# Altium PCB vme64x6U_ctrlc.PcbDoc (part 12 of 16)
Units mm, origin at the board's own origin, x right, y up, seen from the top; angles counter-clockwise.
Board outline 440 x 340 mm, 6 copper layers (TopLayer, PlaneGnd, PlanePwr, MidLayer3, MidLayer4, BottomLayer); 407 components, 1301 nets, 2174 pads, 980 vias.
Unrouted connection lines stored in the file: 264.
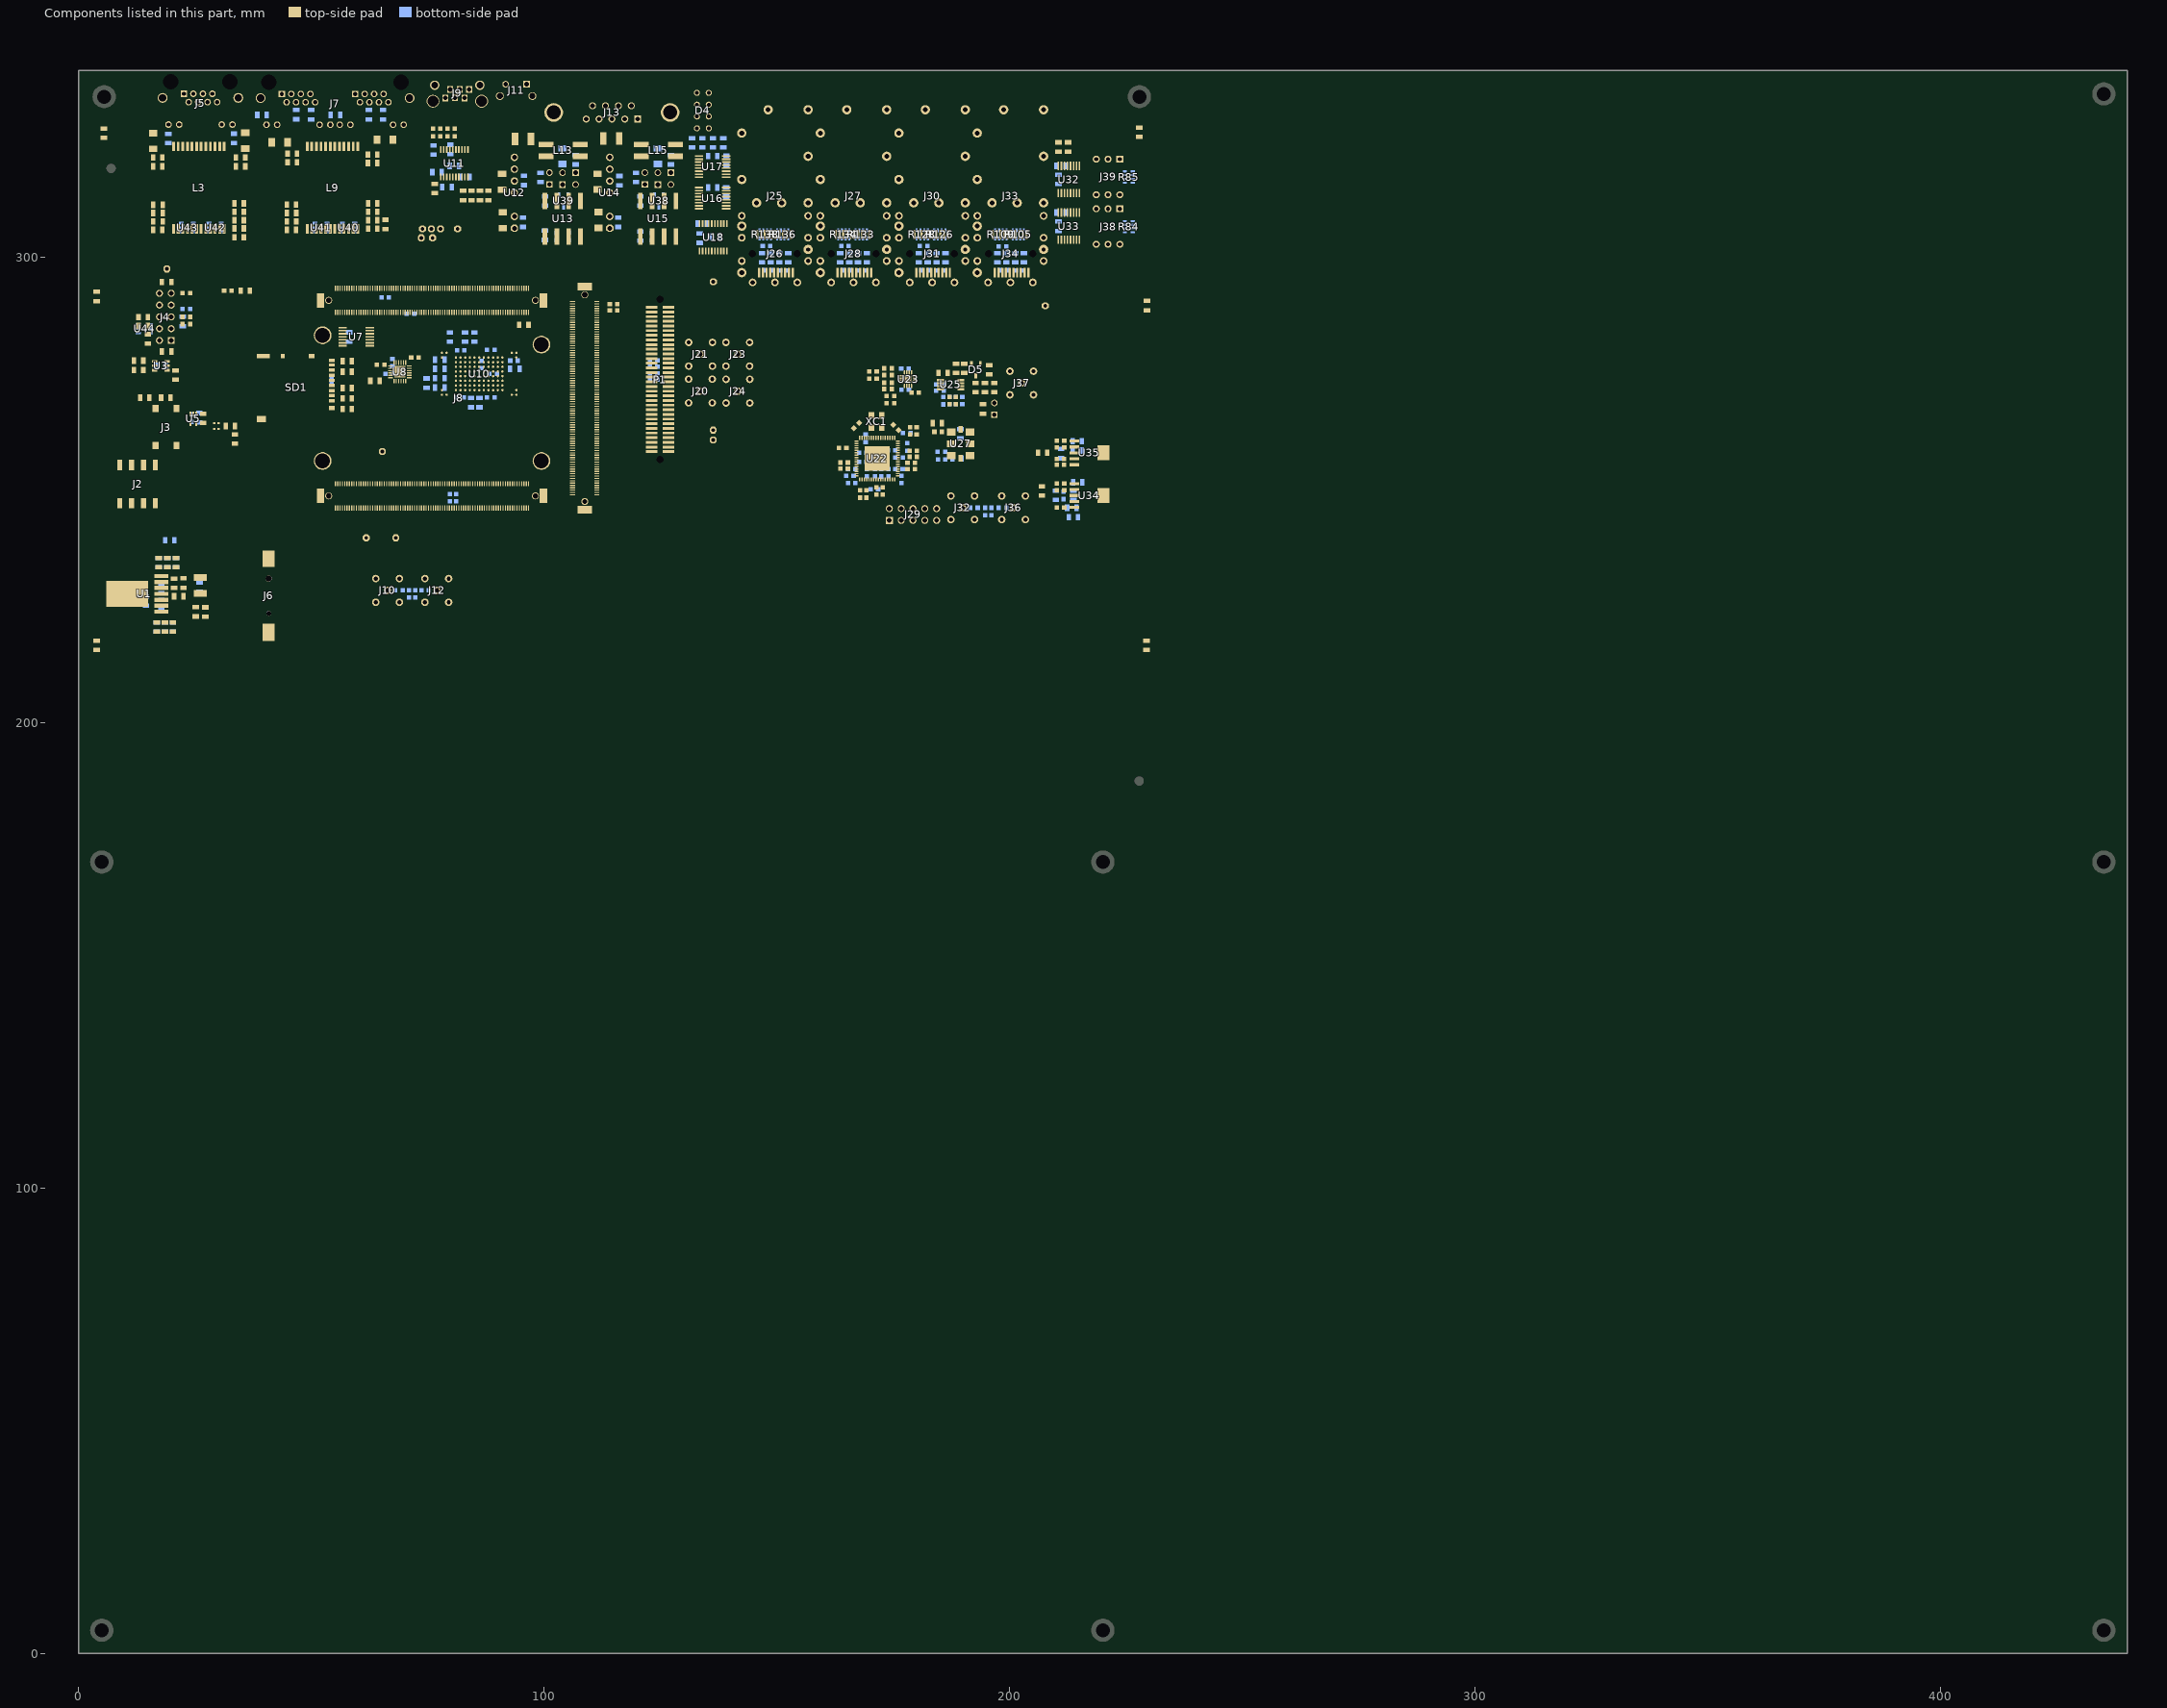
[diagram p16: the components of this part, seen from the top]

## Components (designator, comment, footprint, x,y, rotation, side; value= is the part's Value field where it differs from the comment) (continued)
C185 "100nF" CAPC1608N 81.075,248.275 r90 bottom locked (schematic designator C190)
C186 "0.1uF" CAPC2012N 79.135,315.01 r180 bottom locked (schematic designator C78)
C187 "0.1uF" CAPC2012N 79.86,323.085 r90 bottom locked (schematic designator C80)
C188 "100nF" CAPC1608N 79.775,248.275 r90 bottom locked (schematic designator C159)
C190 "0.1uF" CAPC2012N 76.985,318.185 r180 bottom locked (schematic designator C76)
C197 "100nF" CAPC1608N 66.75,274.875 r0 bottom locked (schematic designator C121)
C198 "100nF" CAPC1608N 67.425,277.275 r270 bottom locked (schematic designator C122)
C199 "0.1uF" CAPC2012N 58.1,282.8 r270 bottom locked (schematic designator C128)
C200 "100nF" CAPC1608N 54.375,273.475 r90 bottom locked (schematic designator C150)
C212 "1uF" CAPC2012N 25.95,265.45 r270 bottom locked (schematic designator C134)
C214 "100nF" CAPC1608N 24.3,265.35 r270 bottom locked (schematic designator C133)
C217 "22uF" CAPC2012N 20.95,234.325 r270 bottom locked (schematic designator C99)
C218 "22uF" CAPC2012N 20.26,220.485 r90 bottom locked (schematic designator C94)
C219 "22uF" CAPC2012N 19.075,234.325 r90 bottom locked (schematic designator C86)
C220 "22uF" CAPC2012N 18.535,220.485 r90 bottom locked (schematic designator C93)
C221 "0.1uF" CAPC2012N 17.75,276.6 r0 bottom locked (schematic designator C112)
C222 "DNP" CAPC2012N 17.785,225.285 r270 bottom locked (schematic designator C101)
C223 "22uF" CAPC2012N 17.2,234.325 r90 bottom locked (schematic designator C85)
C224 "22uF" CAPC2012N 16.81,220.485 r90 bottom locked (schematic designator C95)
C225 "DNP" CAPC2012N 14.5,226.05 r90 bottom locked (schematic designator C84)
D1 "BAS40SL" SOD_923 29.61,263.035 r0 top locked (schematic designator D3)
D2 "BAS40SL" SOD_923 29.61,264.285 r0 top locked (schematic designator D4)
D3 "LB Q39E-N1OO-35-1" LEDC1608N 32.065,292.71 r0 top locked (schematic designator D2)
D4 "H485CGDL" LED_H485C 131.535,340.31 r0 top locked (schematic designator D1)
D5 "MMBD1503" SOT95P280X115-3N 192.75,275.775 r270 top locked
J2 "A6SN-4104" DIPSW4-A6SN8 8.87,247.075 r90 top locked (schematic designator J10)
J3 "PTS645SL43SMTR92" PTS645SL43SMTR92 18.785,263.41 r90 top locked (schematic designator J15)
J4 "IDC-10MC" PLD-10 18.65,287.1 r90 top locked (schematic designator J2)
J5 "RJHSE-5381" AMPH-RJHSE-5381_V 26.19,334.135 r180 top locked (schematic designator J11)
J6 "BC501SM" BAT_CR1220 40.85,226.9 r90 top locked (schematic designator J16)
J7 "RJHSE-5381-2" AMPH-RJHSE-5381-02_V 62.975,334.095 r180 top locked (schematic designator J13)
J8 "3 x FX10A-168P-SV1(71)" Mercury_SA2p 112.925,296.65 r180 top locked (schematic designator J3)
J9 "1734723-1@TYCO" RJ14 83.9,335.928 r180 top locked (schematic designator J1)
J10 "DNP" LEMO_EPA.00.250.NTN 66.375,228.35 r0 top (schematic designator J20)
J11 "PTS645VL582LFS" PTS645VL582LFS 93.985,337.085 r180 top locked (schematic designator J14)
J12 "DNP" LEMO_EPA.00.250.NTN 76.95,228.35 r0 top (schematic designator J23)
J13 "DRB-9MA" DRB-9MA 120.105,329.6 r0 top locked (schematic designator J9)
J14 "PLS-2" PLS-2#1 101.15,316.825 r90 top locked (schematic designator J6)
J15 "PLS-2" PLS-2#1 103.95,316.8 r90 top locked (schematic designator J7)
J16 "PLS-2" PLS-2#1 106.75,316.8 r270 top locked (schematic designator J8)
J17 "PLS-2" PLS-2#1 121.625,316.825 r90 top locked (schematic designator J6)
J18 "PLS-2" PLS-2#1 124.425,316.8 r90 top locked (schematic designator J7)
J19 "PLS-2" PLS-2#1 127.225,316.8 r270 top locked (schematic designator J8)
J20 "DNP" LEMO_EPA.00.250.NTN 133.575,271.175 r180 top locked (schematic designator J27)
J21 "DNP" LEMO_EPA.00.250.NTN 133.6,279.075 r0 top locked (schematic designator J31)
J23 "DNP" LEMO_EPA.00.250.NTN 141.6,279.075 r0 top locked (schematic designator J30)
J24 "DNP" LEMO_EPA.00.250.NTN 141.625,271.15 r180 top locked (schematic designator J28)
J25 "74754-0101" MOLEX_74737-0111 149.58,300.7 r270 top locked (schematic designator J18)
J26 "74441-0001" MOLEX_74441-0001 149.58,300.7 r270 top locked (schematic designator J17)
J27 "74754-0101" MOLEX_74737-0111 166.455,300.7 r270 top locked (schematic designator J18)
J28 "74441-0001" MOLEX_74441-0001 166.455,300.7 r270 top locked (schematic designator J17)
J29 "DNP" PLD-10 179.225,244.65 r0 top locked (schematic designator J26)
J30 "74754-0101" MOLEX_74737-0111 183.33,300.7 r270 top locked (schematic designator J18)
J31 "74441-0001" MOLEX_74441-0001 183.33,300.7 r270 top locked (schematic designator J17)
J32 "DNP" LEMO_EPA.00.250.NTN 189.9,246.1 r0 top locked (schematic designator J24)
J33 "74754-0101" MOLEX_74737-0111 200.155,300.7 r270 top locked (schematic designator J18)
J34 "74441-0001" MOLEX_74441-0001 200.205,300.7 r270 top locked (schematic designator J17)
J35 "PLS-2" PLS-2#2 196.7,266.075 r90 top locked (schematic designator J21)
J36 "DNP" LEMO_EPA.00.250.NTN 200.825,246.1 r0 top locked (schematic designator J25)
J37 "DNP" LEMO_EPA.00.250.NTN 202.575,272.9 r0 top locked (schematic designator J22)
J38 "ERD116XSZ" SW_ECE_ERD116XSZ 223.665,310.32 r270 top locked (schematic designator J12)
J39 "ERD116XSZ" SW_ECE_ERD116XSZ 223.665,320.97 r270 top locked (schematic designator J19)
L2 "DNP" INDC2012N 17.06,309.385 r180 top locked (schematic designator L11)
L3 "H5008NL" SMD_HX508 20.41,306 r90 top locked (schematic designator L13)
L4 "LQH32PN4R7NN0L" IND_3225_MURATA_LQH_N 26.15,229.4 r270 top locked value=4.7uH (schematic designator L1)
L5 "DNP" INDC2012N 34.51,307.885 r0 top locked (schematic designator L9)
L6 "DNP" INDC2012N 34.51,309.685 r0 top locked (schematic designator L10)
L7 "BLM21RK102SN1D" INDC2012N 45.755,307.585 r180 top locked value=BLM21SN102
L7 "DNP" INDC2012N 17.06,307.585 r180 top locked (schematic designator L12)
L8 "BLM21RK102SN1D" INDC2012N 45.755,309.385 r180 top locked value=BLM21SN102 (schematic designator L6)
L9 "H5008NL" SMD_HX508 49.105,306 r90 top locked (schematic designator L8)
L10 "BLM21RK102SN1D" INDC2012N 63.205,307.885 r0 top locked value=BLM21SN102 (schematic designator L4)
L11 "BLM21RK102SN1D" INDC2012N 63.205,309.685 r0 top locked value=BLM21SN102 (schematic designator L5)
L12 "LQH32PN4R7NN0L" IND_3225_MURATA_LQH_N 95.475,325.35 r180 top locked value=4.7uH (schematic designator L15)
L13 "B82790C0513" SMD_B82790 107.725,324.125 r180 top locked (schematic designator L14)
L14 "LQH32PN4R7NN0L" IND_3225_MURATA_LQH_N 114.425,325.4 r180 top locked value=4.7uH (schematic designator L15)
L15 "B82790C0513" SMD_B82790 128.2,324.125 r180 top locked (schematic designator L14)
L16 "BLM21PG221SN1" INDC2012N 201.155,299.825 r270 bottom locked (schematic designator L3)
L17 "BLM21PG221SN1" INDC2012N 199.28,299.825 r270 bottom locked (schematic designator L2)
L18 "BLM21PG221SN1" INDC2012N 184.28,299.825 r270 bottom locked (schematic designator L3)
L19 "BLM21PG221SN1" INDC2012N 182.405,299.825 r270 bottom locked (schematic designator L2)
L20 "BLM21PG221SN1" INDC2012N 167.405,299.825 r270 bottom locked (schematic designator L3)
L21 "BLM21PG221SN1" INDC2012N 165.53,299.825 r270 bottom locked (schematic designator L2)
L22 "BLM21PG221SN1" INDC2012N 150.53,299.825 r270 bottom locked (schematic designator L3)
L23 "BLM21PG221SN1" INDC2012N 148.655,299.825 r270 bottom locked (schematic designator L2)
P1 "TYCO_120521-1" TYCO_120521-1 124.9,256.45 r90 top locked value=DNP
R1 "10MΩ" RESC2012N 3.9,291.5 r270 top locked value=10M? (schematic designator R106)
R2 "10MΩ" RESC2012N 3.925,216.55 r270 top locked value=10M? (schematic designator R105)
R3 "DNP" RESC2012N 5.45,326.55 r270 top locked (schematic designator R104)
R7 "10kΩ" RESC2012N 12.925,275.675 r0 top locked value=10k? (schematic designator R157)
R8 "51kΩ" RESC2012N 12.925,277.675 r0 top locked value=51k? (schematic designator R158)
R9 "10kΩ" RESC2012N 13.875,287.05 r180 top locked value=10k? (schematic designator R174)
R10 "51kΩ" RESC2012N 14.225,269.725 r0 top locked value=51k? (schematic designator R159)
R11 "1kΩ" RESC2012N 14.875,282.375 r90 top locked value=1k? (schematic designator R72)
R12 "75Ω" RESC2012N 17.035,319.435 r0 top locked value=75? (schematic designator R43)
R13 "75Ω" RESC2012N 17.035,321.335 r0 top locked value=75? (schematic designator R42)
R14 "DNP" RESC2012N 18.925,279.675 r180 top locked (schematic designator R171)
R15 "DNP" RESC2012N 18.925,294.575 r180 top locked (schematic designator R173)
R16 "75kΩ" RESC2012N 20.535,229.885 r270 top locked value=75k? (schematic designator R21)
R17 "1kΩ" RESC2012N 22.56,229.935 r270 top locked value=1k? (schematic designator R23)
R18 "22Ω" RESC1608N 23.16,285.56 r180 top locked value=22? (schematic designator R73)
R19 "100Ω" RESC1608N 23.16,287.11 r180 top locked value=100? (schematic designator R75)
R20 "100Ω" RESC1608N 23.16,292.21 r180 top locked value=100? (schematic designator R74)
R21 "51kΩ" RESC2012N 26.775,265.3 r270 top locked value=51k? (schematic designator R101)
R22 "43kΩ" RESC2012N 32.61,263.635 r180 top locked value=43k? (schematic designator R98)
R23 "75Ω" RESC2012N 34.81,319.435 r180 top locked value=75? (schematic designator R55)
R24 "75Ω" RESC2012N 34.81,321.335 r180 top locked value=75? (schematic designator R78)
R25 "1kΩ" RESC2012N 35.815,292.71 r180 top locked value=1k? (schematic designator R97)
R26 "75Ω" RESC2012N 45.91,320.31 r0 top locked value=75? (schematic designator R80)
R27 "75Ω" RESC2012N 45.91,322.16 r0 top locked value=75? (schematic designator R79)
R28 "10kΩ" RESC2012N 57.7,267.325 r180 top locked value=10k? (schematic designator R166)
R29 "10kΩ" RESC2012N 57.7,269.575 r180 top locked value=10k? (schematic designator R167)
R30 "10kΩ" RESC2012N 57.7,271.825 r180 top locked value=10k? (schematic designator R168)
R31 "10kΩ" RESC2012N 57.7,275.325 r180 top locked value=10k? (schematic designator R169)
R32 "10kΩ" RESC2012N 57.7,277.575 r180 top locked value=10k? (schematic designator R170)
R33 "75Ω" RESC2012N 63.16,320.16 r180 top locked value=75? (schematic designator R83)
R34 "75Ω" RESC2012N 63.16,321.985 r180 top locked value=75? (schematic designator R92)
R35 "10kΩ" RESC2012N 63.675,273.375 r180 top locked value=10k? (schematic designator R89)
R36 "22Ω" RESC1608N 64.875,276.8 r180 top locked value=22? (schematic designator R90)
R37 "22Ω" RESC1608N 72.25,278.375 r0 top locked value=22? (schematic designator R91)
R38 "22Ω" RESC1608N 76.11,326.703 r90 top locked value=22? (schematic designator R70)
R39 "51kΩ" RESC2012N 76.485,314.66 r90 top locked value=51k? (schematic designator R61)
R40 "22Ω" RESC1608N 77.685,326.703 r90 top locked value=22? (schematic designator R69)
R41 "22Ω" RESC1608N 79.26,326.703 r90 top locked value=22? (schematic designator R65)
R42 "22Ω" RESC1608N 80.835,326.703 r90 top locked value=22? (schematic designator R63)
R43 "1kΩ" RESC2012N 82.625,313.175 r90 top locked value=1k? (schematic designator R68)
R44 "1kΩ" RESC2012N 84.425,313.175 r90 top locked value=1k? (schematic designator R67)
R45 "1kΩ" RESC2012N 86.225,313.175 r90 top locked value=1k? (schematic designator R64)
R46 "1kΩ" RESC2012N 88.025,313.175 r90 top locked value=1k? (schematic designator R66)
R53 "22Ω" RESC1608N 164.125,258.925 r180 top locked value=22? (schematic designator R147)
R54 "100Ω" RESC1608N 167.075,263.775 r45 top locked value=100? (schematic designator R134)
R55 "91Ω" RESC1608N 173.85,271.6 r180 top locked value=91? (schematic designator R146)
R56 "91Ω" RESC1608N 173.85,272.95 r180 top locked value=91? (schematic designator R145)
R57 "91Ω" RESC1608N 173.85,274.6 r0 top locked value=91? (schematic designator R137)
R58 "91Ω" RESC1608N 173.85,276.05 r0 top locked value=91? (schematic designator R138)
R59 "100Ω" RESC1608N 175.55,263.325 r315 top locked value=100? (schematic designator R133)
R60 "68Ω" RESC1608N 179.7,270.825 r0 top locked value=68? (schematic designator R132)
R61 "820Ω" RESC1608N 180,262.625 r270 top locked value=820? (schematic designator R143)
R62 "51Ω" RESC2012N 184.425,264.25 r180 top locked value=51? (schematic designator R129)
R63 "22Ω" RESC1608N 184.625,262.425 r180 top locked value=22? (schematic designator R130)
R64 "10kΩ" RESC2012N 185.7,275.05 r180 top locked value=10k? (schematic designator R121)
R65 "22Ω" RESC1608N 187.075,269.125 r90 top locked value=22? (schematic designator R123)
R66 "22Ω" RESC1608N 188.45,269.125 r90 top locked value=22? (schematic designator R125)
R68 "150Ω" RESC2012N 190.225,276.05 r270 top locked value=150? (schematic designator R122)
R69 "51kΩ" RESC2012N 194.275,267.325 r90 top locked value=51k? (schematic designator R126)
R70 "150Ω" RESC2012N 194.7,271.9 r90 top locked value=150? (schematic designator R119)
R71 "51kΩ" RESC2012N 195.6,275.725 r90 top locked value=51k? (schematic designator R124)
R72 "51Ω" RESC2012N 196.7,271.9 r90 top locked value=51? (schematic designator R120)
R73 "0Ω" RESC2012N 207.075,257.9 r0 top locked value=0? (schematic designator R181)
R74 "0Ω" RESC2012N 206.925,249.7 r270 top locked value=0? (schematic designator R179)
R75 "5.1kΩ" RESC2012N 210.475,323.6 r90 top locked value=5.1k? (schematic designator R117)
R77 "5.1kΩ" RESC2012N 212.525,323.6 r90 top locked value=5.1k? (schematic designator R116)
R79 "DNP" RESC2012N 227.85,326.775 r270 top locked (schematic designator R111)
R80 "10MΩ" RESC2012N 229.4,216.55 r270 top locked value=10M? (schematic designator R16)
R81 "10MΩ" RESC2012N 229.5,289.525 r90 top locked value=10M? (schematic designator R103)
R84 "CAY16-4702F4LF" CAY16-J4 224.725,305.275 r0 bottom locked value=47k? (schematic designator R110)
R85 "CAY16-4702F4LF" CAY16-J4 224.725,315.95 r0 bottom locked value=47k? (schematic designator R112)
R90 "1kΩ" RESC2012N 213.7,244.075 r0 bottom locked value=1k? (schematic designator R180)
R91 "12kΩ" RESC2012N 213.325,246.1 r180 bottom locked value=12k? (schematic designator R118)
R93 "5.1kΩ" RESC2012N 211.025,309.5 r0 bottom locked value=5.1k? (schematic designator R177)
R94 "5.1kΩ" RESC2012N 211.025,319.55 r0 bottom locked value=5.1k? (schematic designator R178)
R95 "1kΩ" RESC2012N 211.05,257.725 r90 bottom locked value=1k? (schematic designator R182)
R96 "5.1kΩ" RESC2012N 209.923,248.775 r90 bottom locked value=5.1k? (schematic designator R115)
R105 "CAY16-1002F4LF" CAY16-J4 203.055,304 r90 bottom locked value=10k? (schematic designator R107)
R108 "100Ω" RESC1608N 198.45,246.1 r0 bottom locked value=100? (schematic designator R149)
R109 "CAY16-1002F4LF" CAY16-J4 199.305,304 r90 bottom locked value=10k? (schematic designator R108)
R112 "100Ω" RESC1608N 196.1,245.3 r90 bottom locked value=100? (schematic designator R150)
R115 "100Ω" RESC1608N 194.7,245.3 r90 bottom locked value=100? (schematic designator R141)
R116 "100Ω" RESC1608N 192.325,246.1 r180 bottom locked value=100? (schematic designator R148)
R118 "DNP" RESC1608N 189.825,269.125 r270 bottom locked (schematic designator R155)
R119 "5.1kΩ" RESC2012N 188.675,256.675 r0 bottom locked value=5.1k? (schematic designator R127)
R120 "5.1kΩ" RESC2012N 189.425,262.025 r90 bottom locked value=5.1k? (schematic designator R128)
R122 "DNP" RESC1608N 188.45,269.125 r90 bottom locked (schematic designator R156)
R124 "DNP" RESC1608N 187.075,269.125 r90 bottom locked (schematic designator R154)
R126 "CAY16-1002F4LF" CAY16-J4 186.18,304 r90 bottom locked value=10k? (schematic designator R107)
R127 "DNP" RESC1608N 185.7,269.1 r270 bottom locked (schematic designator R153)
R128 "CAY16-1002F4LF" CAY16-J4 182.43,304 r90 bottom locked value=10k? (schematic designator R108)
R130 "100Ω" RESC1608N 178.025,259.175 r270 bottom locked value=100? (schematic designator R131)
R132 "22Ω" RESC1608N 170.95,250.1 r180 bottom locked value=22? (schematic designator R175)
R133 "CAY16-1002F4LF" CAY16-J4 169.305,304 r90 bottom locked value=10k? (schematic designator R107)
R134 "CAY16-1002F4LF" CAY16-J4 165.555,304 r90 bottom locked value=10k? (schematic designator R108)
R136 "CAY16-1002F4LF" CAY16-J4 152.43,304 r90 bottom locked value=10k? (schematic designator R107)
R138 "CAY16-1002F4LF" CAY16-J4 148.68,304 r90 bottom locked value=10k? (schematic designator R108)
R139 "5.1kΩ" RESC2012N 139.15,320.7 r90 bottom locked value=5.1k? (schematic designator R113)
R140 "5.1kΩ" RESC2012N 139.1,313.925 r90 bottom locked value=5.1k? (schematic designator R114)
R141 "1kΩ" RESC2012N 138.5,324.5 r90 bottom locked value=1k? (schematic designator R35)
R142 "5.1kΩ" RESC2012N 136.6,304.375 r180 bottom locked value=5.1k? (schematic designator R109)
R143 "1kΩ" RESC2012N 136.25,324.5 r90 bottom locked value=1k? (schematic designator R34)
R144 "5.1kΩ" RESC2012N 133.95,307.125 r0 bottom locked value=5.1k? (schematic designator R176)
R145 "1kΩ" RESC2012N 134,324.5 r90 bottom locked value=1k? (schematic designator R36)
R146 "1kΩ" RESC2012N 131.75,324.5 r90 bottom locked value=1k? (schematic designator R96)
R147 "62Ω" RESC2012N 127.225,320.85 r90 bottom locked value=62? (schematic designator R32)
R148 "22Ω" RESC1608N 125.775,304.4 r270 bottom locked value=22? (schematic designator R33)
R149 "100Ω" RESC1608N 123.525,273.65 r180 bottom locked value=100? (schematic designator R142)
R150 "100Ω" RESC1608N 123.525,275 r180 bottom locked value=100? (schematic designator R144)
R151 "100Ω" RESC1608N 123.525,276.375 r180 bottom locked value=100?
R152 "100Ω" RESC1608N 123.525,277.75 r180 bottom locked value=100?
R153 "22Ω" RESC1608N 123.175,304.35 r270 bottom locked value=22? (schematic designator R29)
R154 "62Ω" RESC2012N 119.725,317.075 r90 bottom locked value=62? (schematic designator R26)
R155 "62Ω" RESC2012N 106.75,320.85 r90 bottom locked value=62? (schematic designator R32)
R156 "22Ω" RESC1608N 105.3,304.4 r270 bottom locked value=22? (schematic designator R33)
R157 "22Ω" RESC1608N 102.7,304.35 r270 bottom locked value=22? (schematic designator R29)
R158 "62Ω" RESC2012N 99.25,317.075 r90 bottom locked value=62? (schematic designator R26)
R159 "100Ω" RESC1608N 74.45,228.35 r180 bottom value=100? (schematic designator R139)
R160 "100Ω" RESC1608N 72.3,227.6 r270 bottom value=100? (schematic designator R140)
R161 "100Ω" RESC1608N 70.95,227.6 r270 bottom value=100? (schematic designator R136)
R162 "100Ω" RESC1608N 68.825,228.35 r0 bottom value=100? (schematic designator R135)
R163 "10kΩ" RESC2012N 86.125,268.675 r90 bottom locked value=10k? (schematic designator R85)
R164 "10kΩ" RESC2012N 85.05,282.775 r270 bottom locked value=10k? (schematic designator R161)
R165 "10kΩ" RESC2012N 84.325,268.675 r90 bottom locked value=10k? (schematic designator R88)
R166 "10kΩ" RESC2012N 83,282.775 r270 bottom locked value=10k? (schematic designator R163)
R167 "10kΩ" RESC2012N 79.75,282.775 r270 bottom locked value=10k? (schematic designator R162)
R169 "10kΩ" RESC2012N 77.6,271.925 r0 bottom locked value=10k? (schematic designator R87)
R170 "10kΩ" RESC2012N 77.6,273.925 r0 bottom locked value=10k? (schematic designator R86)
R171 "10kΩ" RESC2012N 77.6,275.925 r0 bottom locked value=10k? (schematic designator R160)
R172 "10kΩ" RESC2012N 77.6,277.925 r0 bottom locked value=10k? (schematic designator R164)
R174 "51kΩ" RESC2012N 76.26,322.935 r90 bottom locked value=51k? (schematic designator R62)
R175 "10kΩ" RESC2012N 74.75,272.875 r90 bottom locked value=10k? (schematic designator R165)
R176 "22Ω" RESC1608N 71.3,287.8 r0 bottom locked value=22? (schematic designator R3)
R177 "100Ω" RESC1608N 65.875,291.275 r180 bottom locked value=100? (schematic designator R76)
R178 "75Ω" RESC2012N 65.41,330.535 r270 bottom locked value=75? (schematic designator R95)
R179 "75Ω" RESC2012N 62.335,330.535 r270 bottom locked value=75? (schematic designator R93)
R180 "150Ω" RESC2012N 55.175,330.475 r0 bottom locked value=150? (schematic designator R94)
R183 "75Ω" RESC2012N 49.96,330.535 r270 bottom locked value=75? (schematic designator R84)
R184 "75Ω" RESC2012N 46.76,330.56 r270 bottom locked value=75? (schematic designator R81)
R185 "150Ω" RESC2012N 39.385,330.485 r0 bottom locked value=150? (schematic designator R82)
R186 "150Ω" RESC2012N 33.375,325.45 r90 bottom locked value=150? (schematic designator R77)
R189 "DNP" RESC2012N 26.025,229.075 r90 bottom locked (schematic designator R22)
R190 "DNP" RESC1608N 23.16,288.785 r180 bottom locked (schematic designator R71)
R191 "DNP" RESC2012N 22.375,286.125 r270 bottom locked (schematic designator R172)
R192 "1kΩ" RESC2012N 19.6,239.125 r0 bottom locked value=1k? (schematic designator R20)
R193 "150Ω" RESC2012N 19.275,325.4 r90 bottom locked value=150? (schematic designator R46)